# Altium PCB GE21_M1_pku_f100.PcbDoc (part 1 of 19)
Units mm, origin at the board's own origin, x right, y up, seen from the top; angles counter-clockwise.
Board outline 423.9 x 668.59 mm, 8 copper layers (Top Layer, Signal 1, DGNG1, POWER, AGND, DGND2, Signal 2, Bottom Layer), stack 1.03 mm thick; 171 components, 336 nets, 2040 pads, 4872 vias.
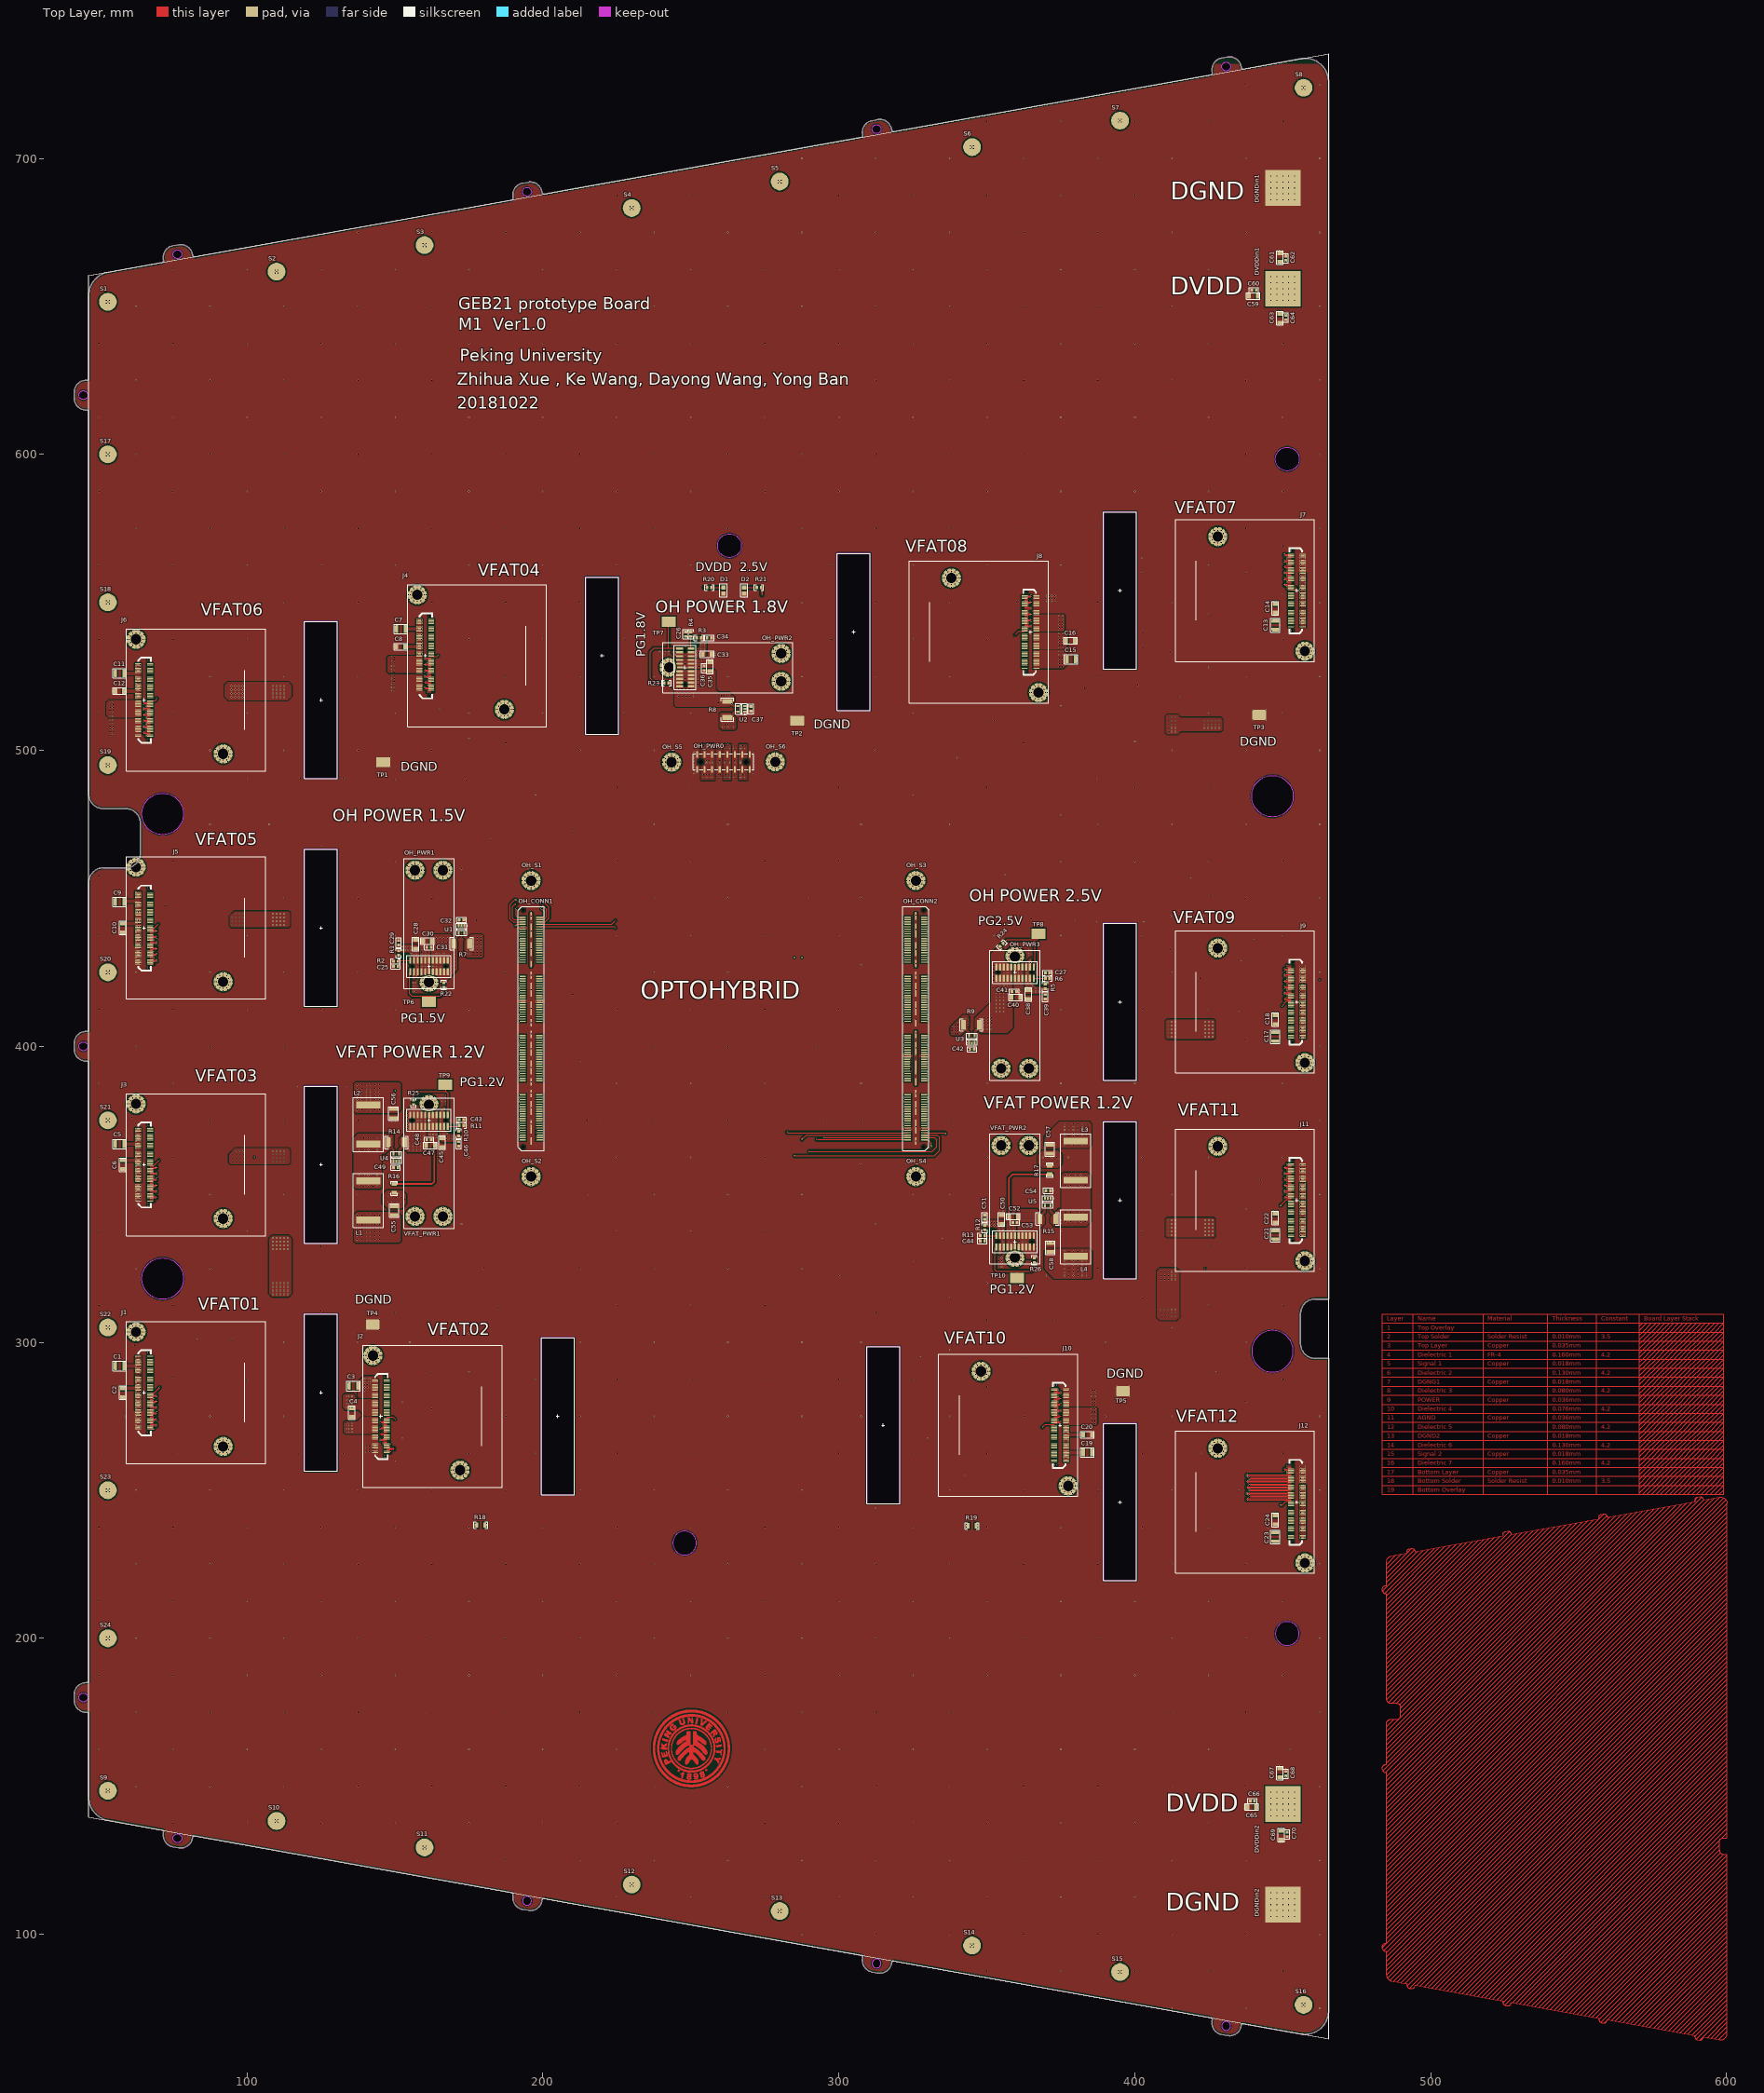
[diagram p0: Top Layer view]
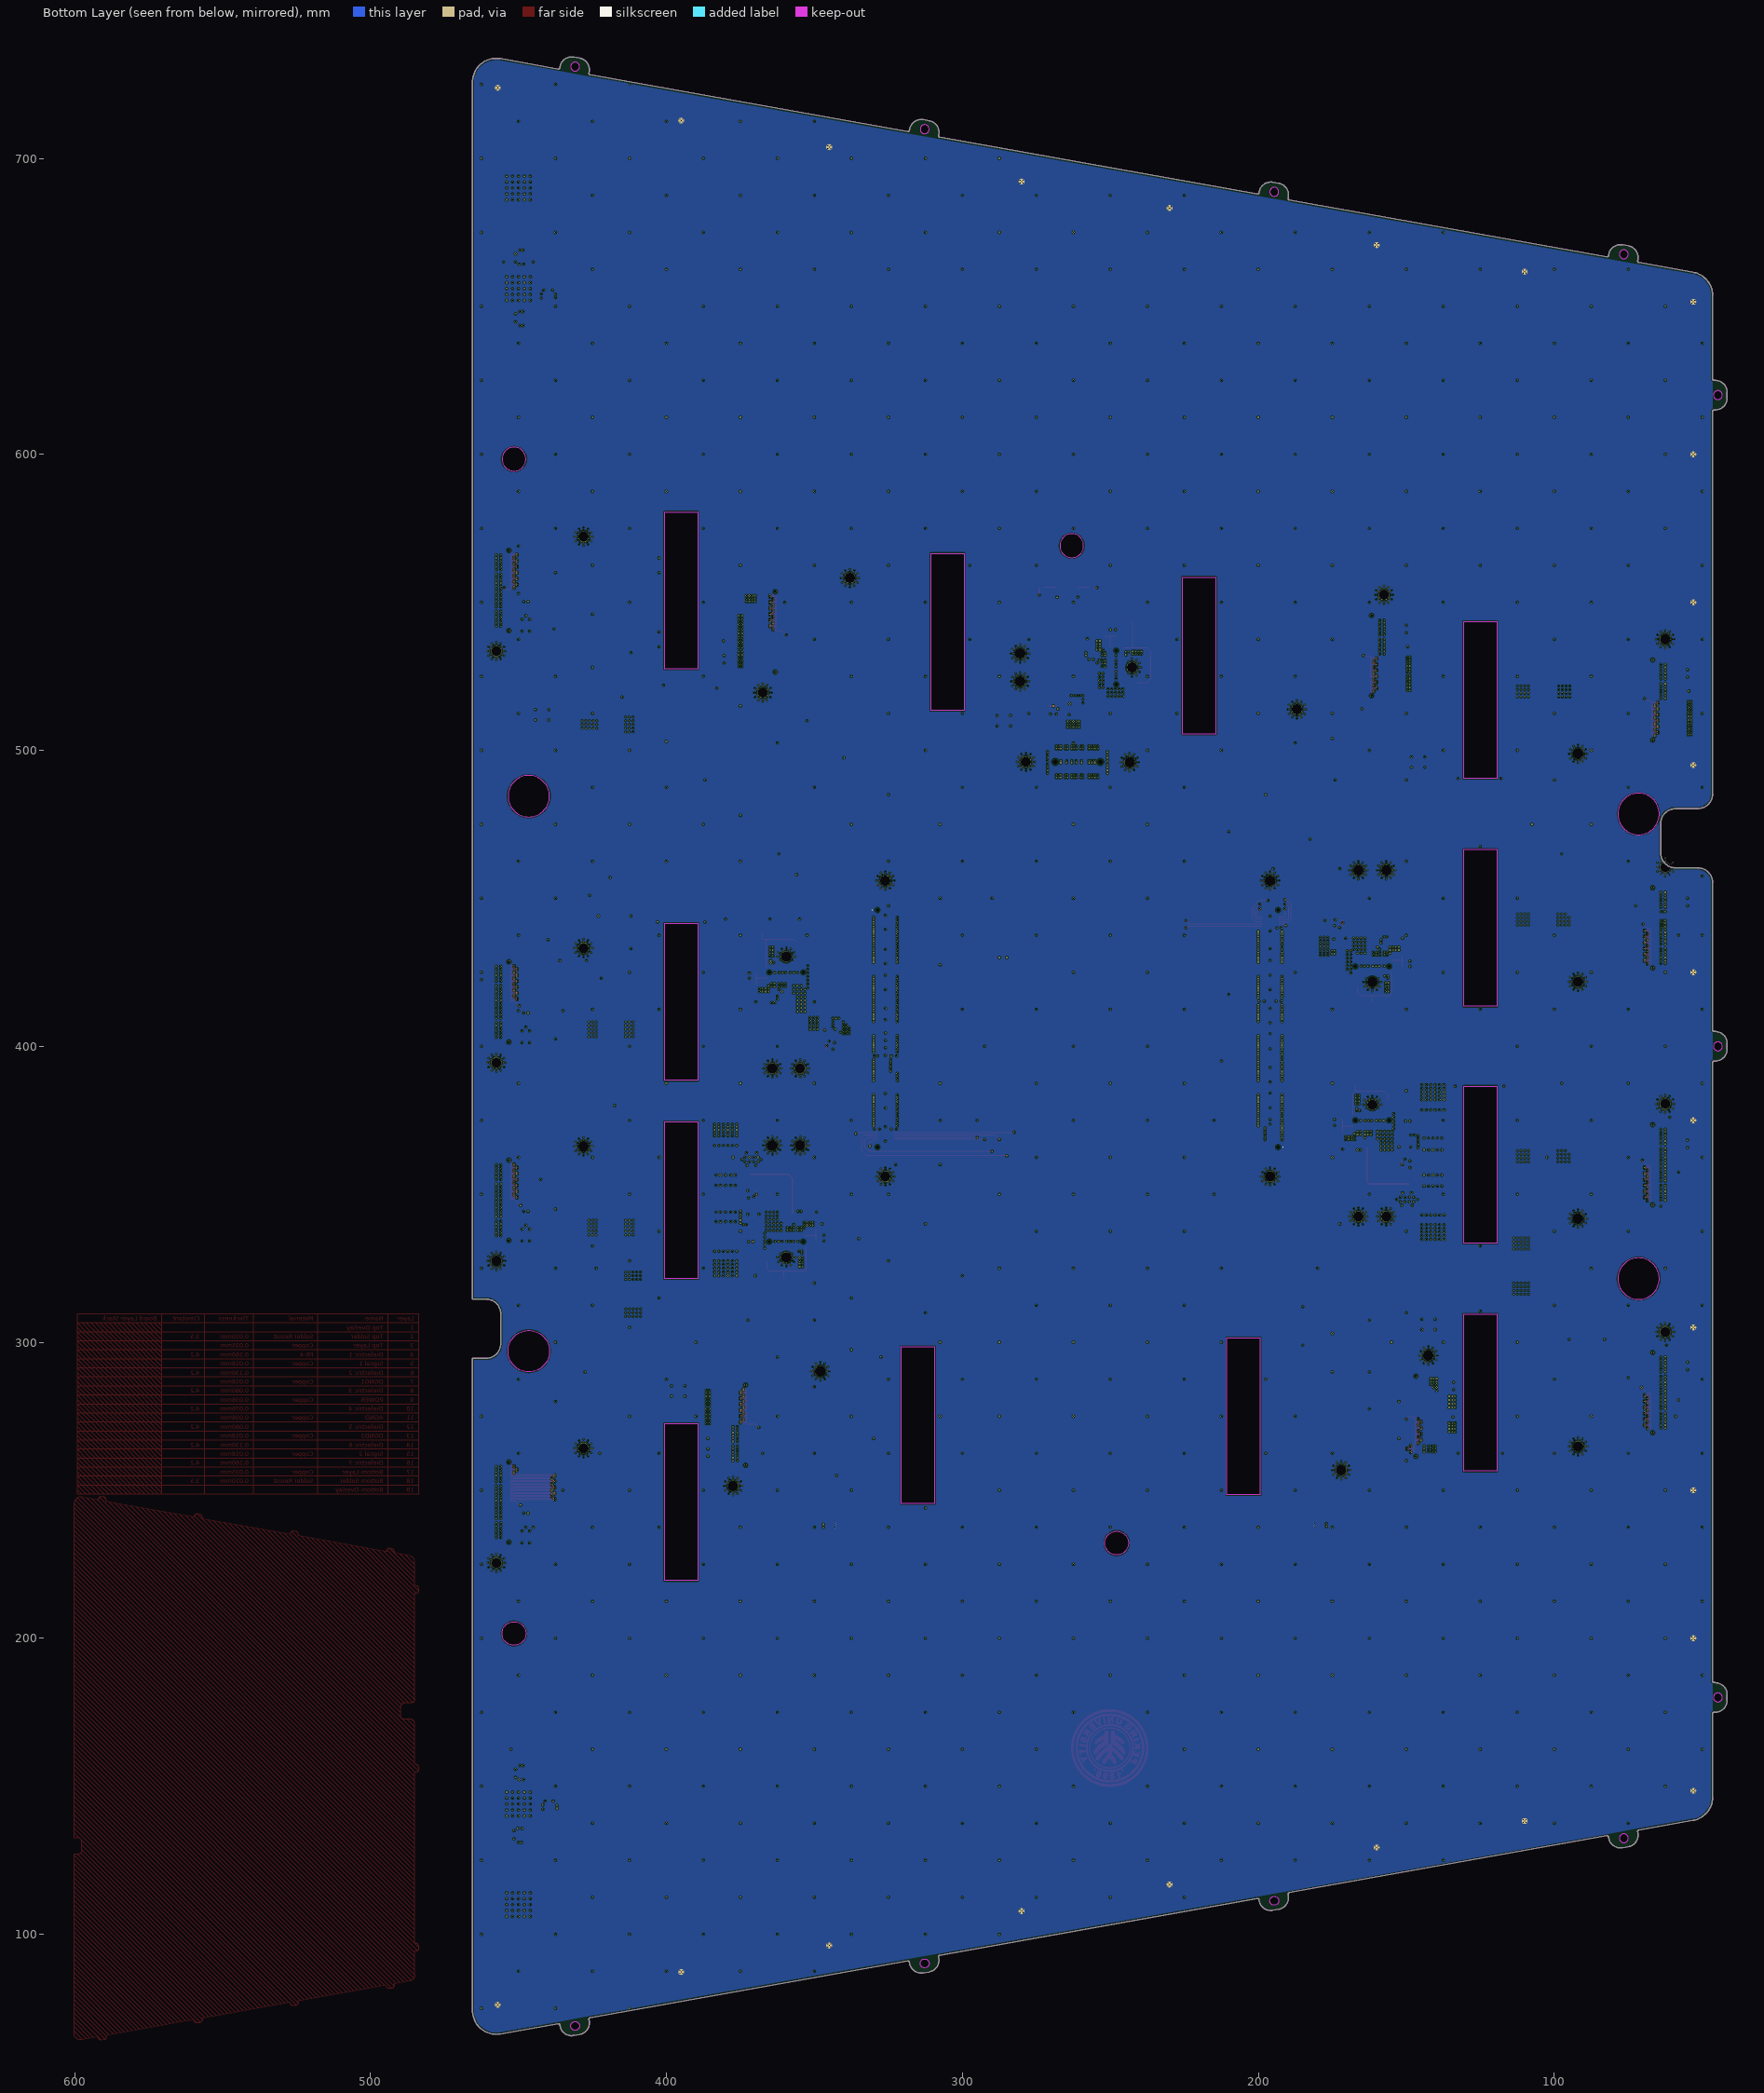
[diagram p1: Bottom Layer view, seen from below]
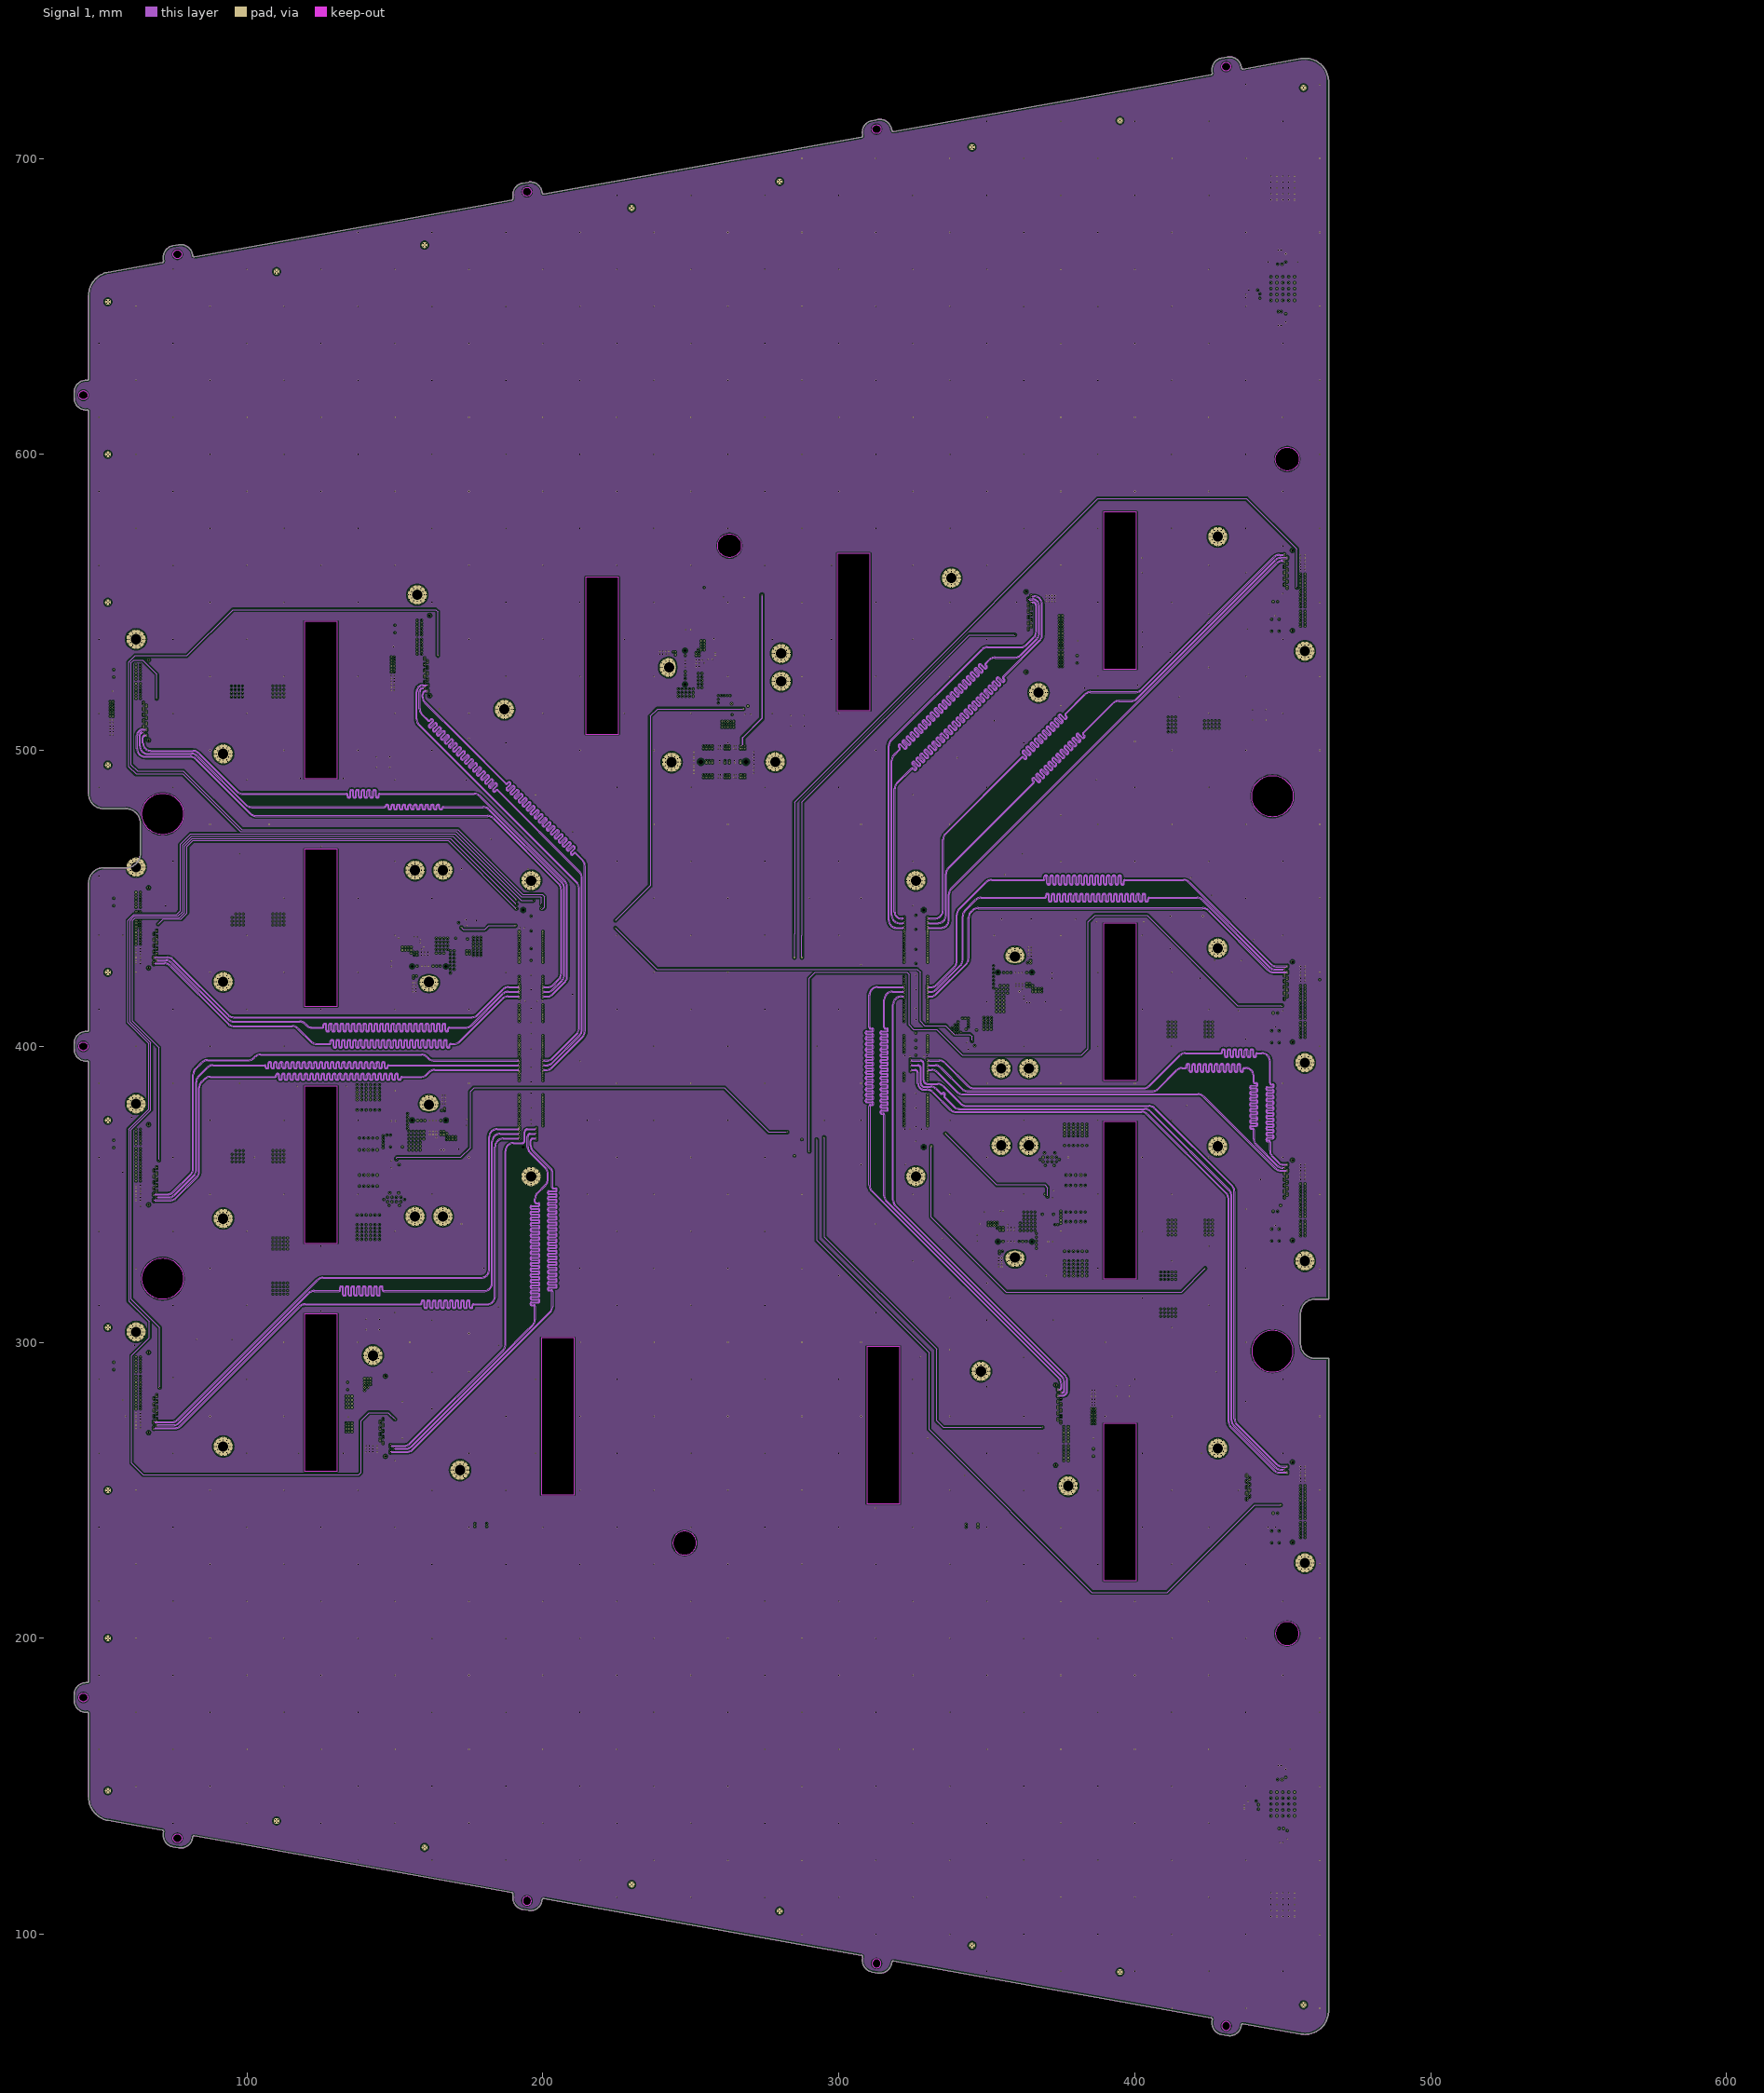
[diagram p2: Signal 1]
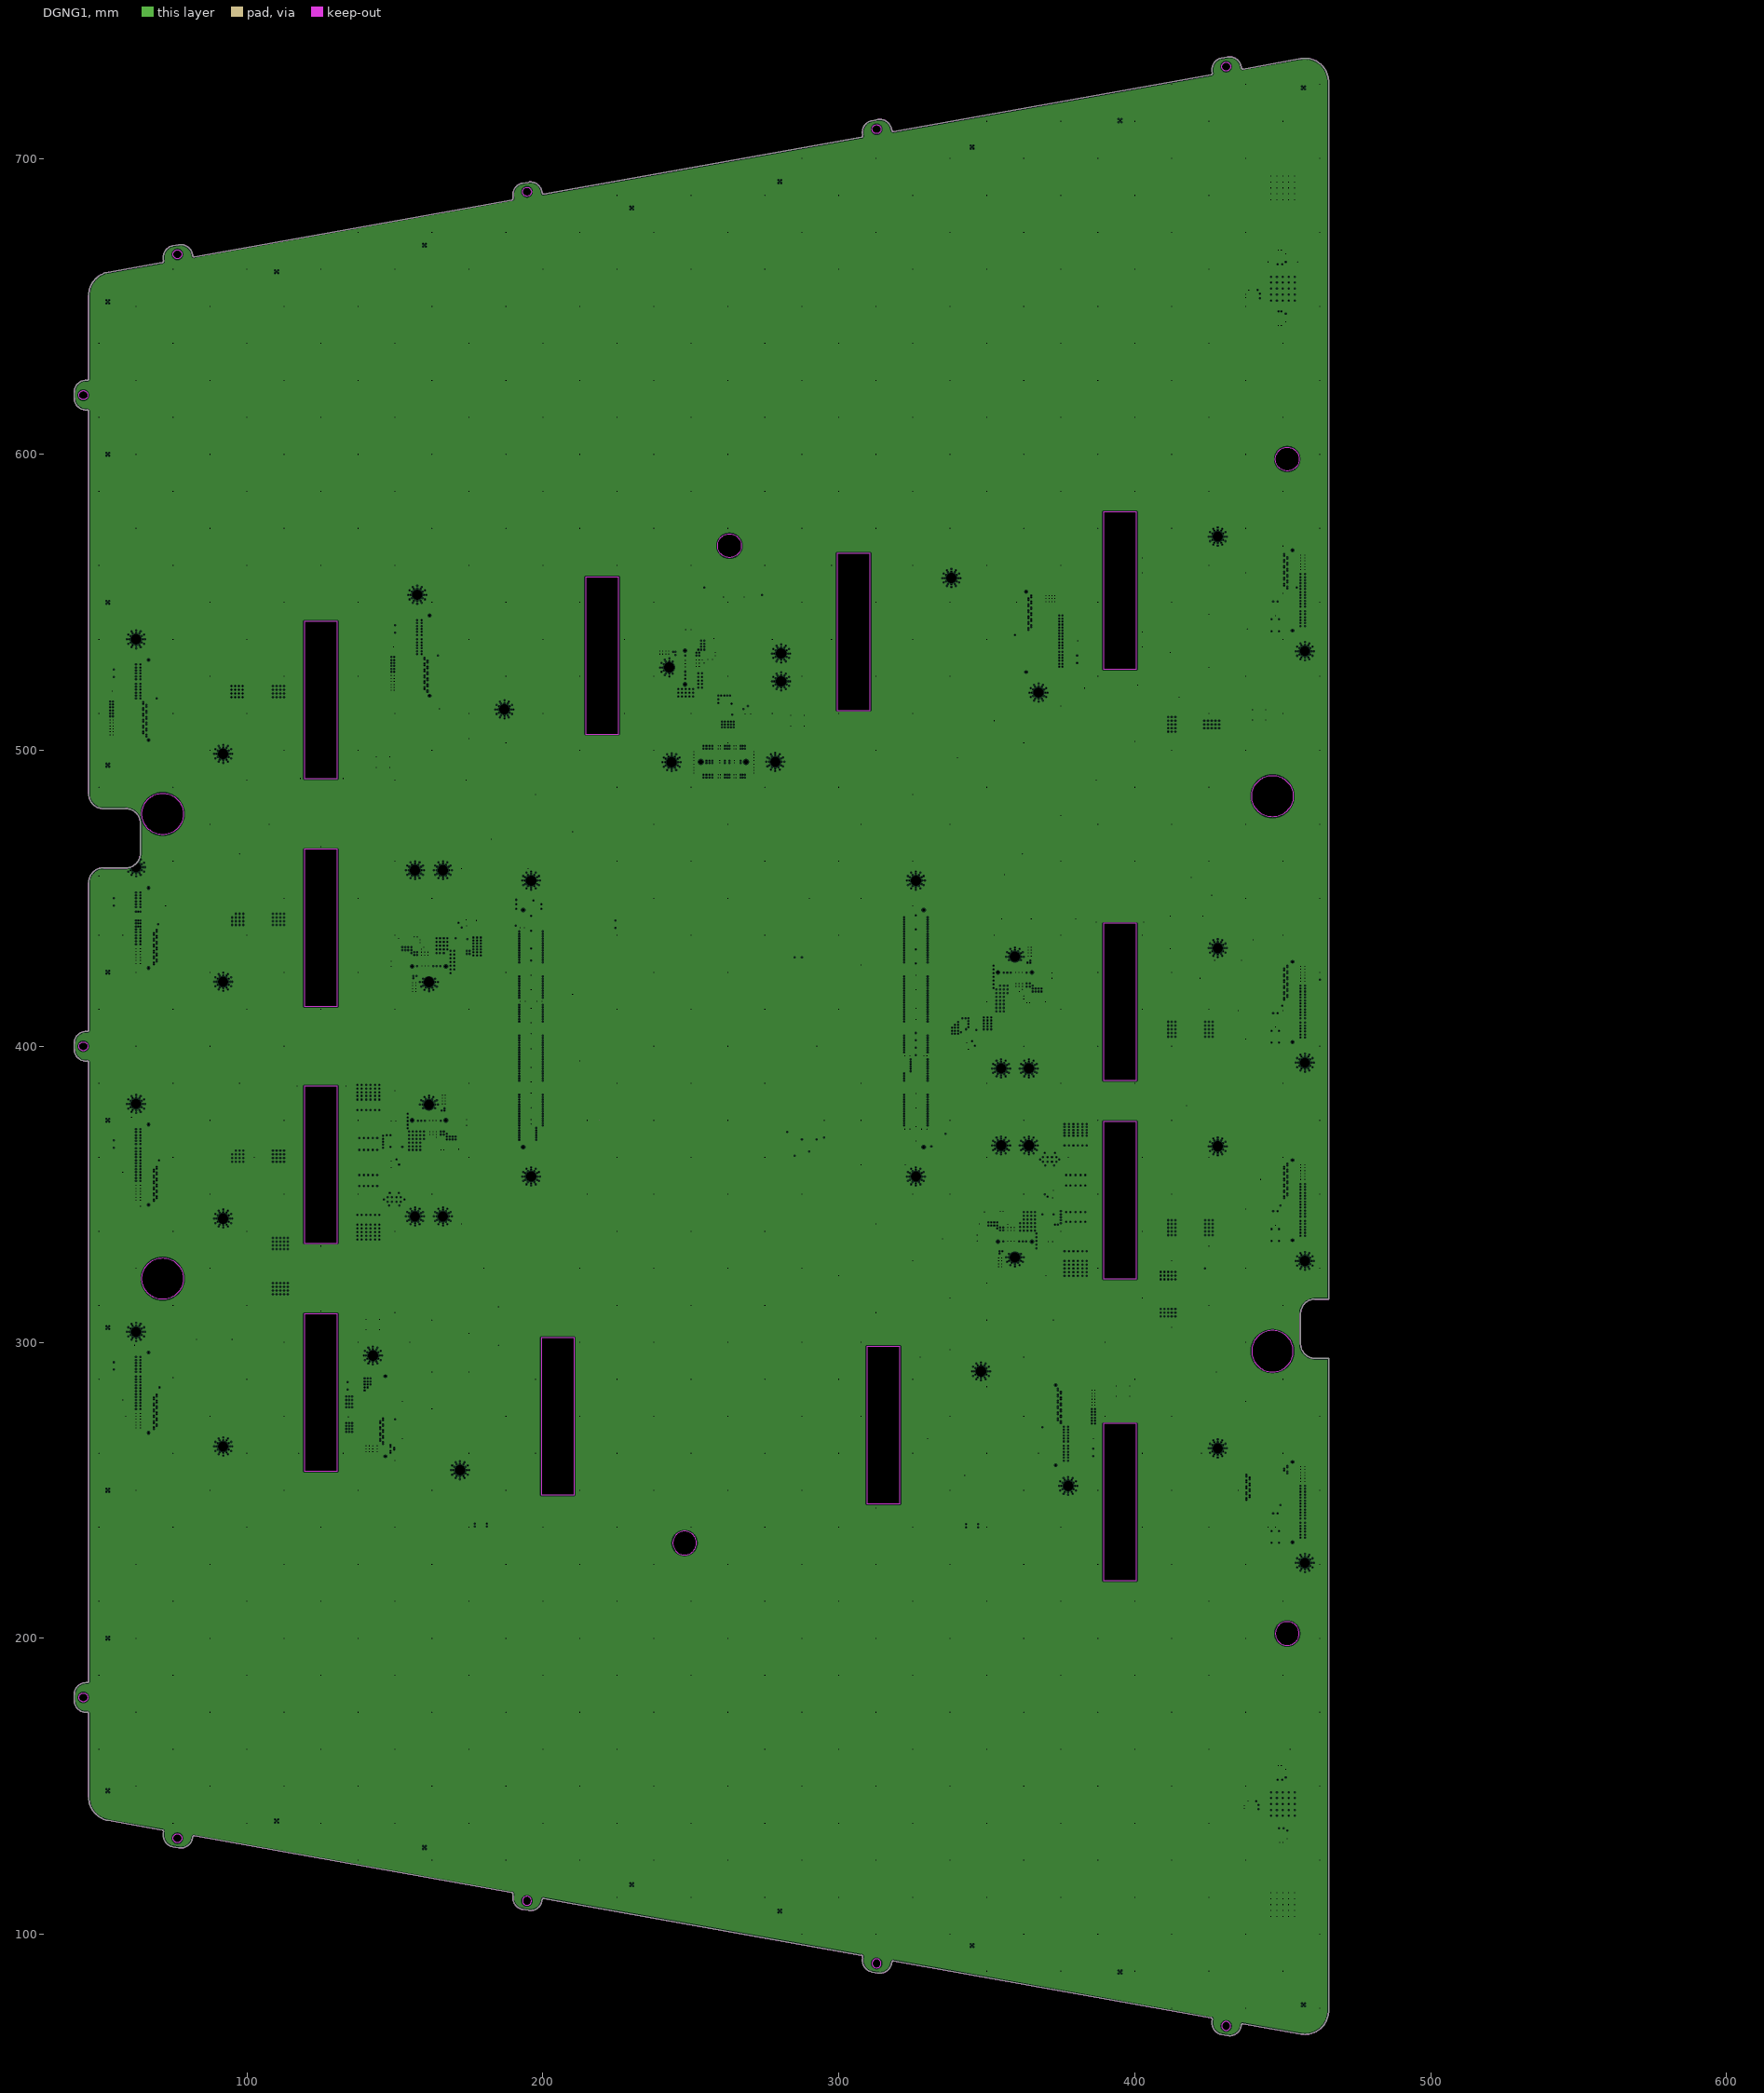
[diagram p3: DGNG1, clearances drawn from the general rule]